# Altium PCB V5+_CORE_RC02.PcbDoc (part 3 of 3)
Units mm, origin at the board's own origin, x right, y up, seen from the top; angles counter-clockwise.
Board outline 33.75 x 33.75 mm, 6 copper layers (Top Layer, GND, S1, S2, POWER, Bottom Layer), stack 1.231 mm thick; 202 components, 273 nets, 965 pads, 543 vias.
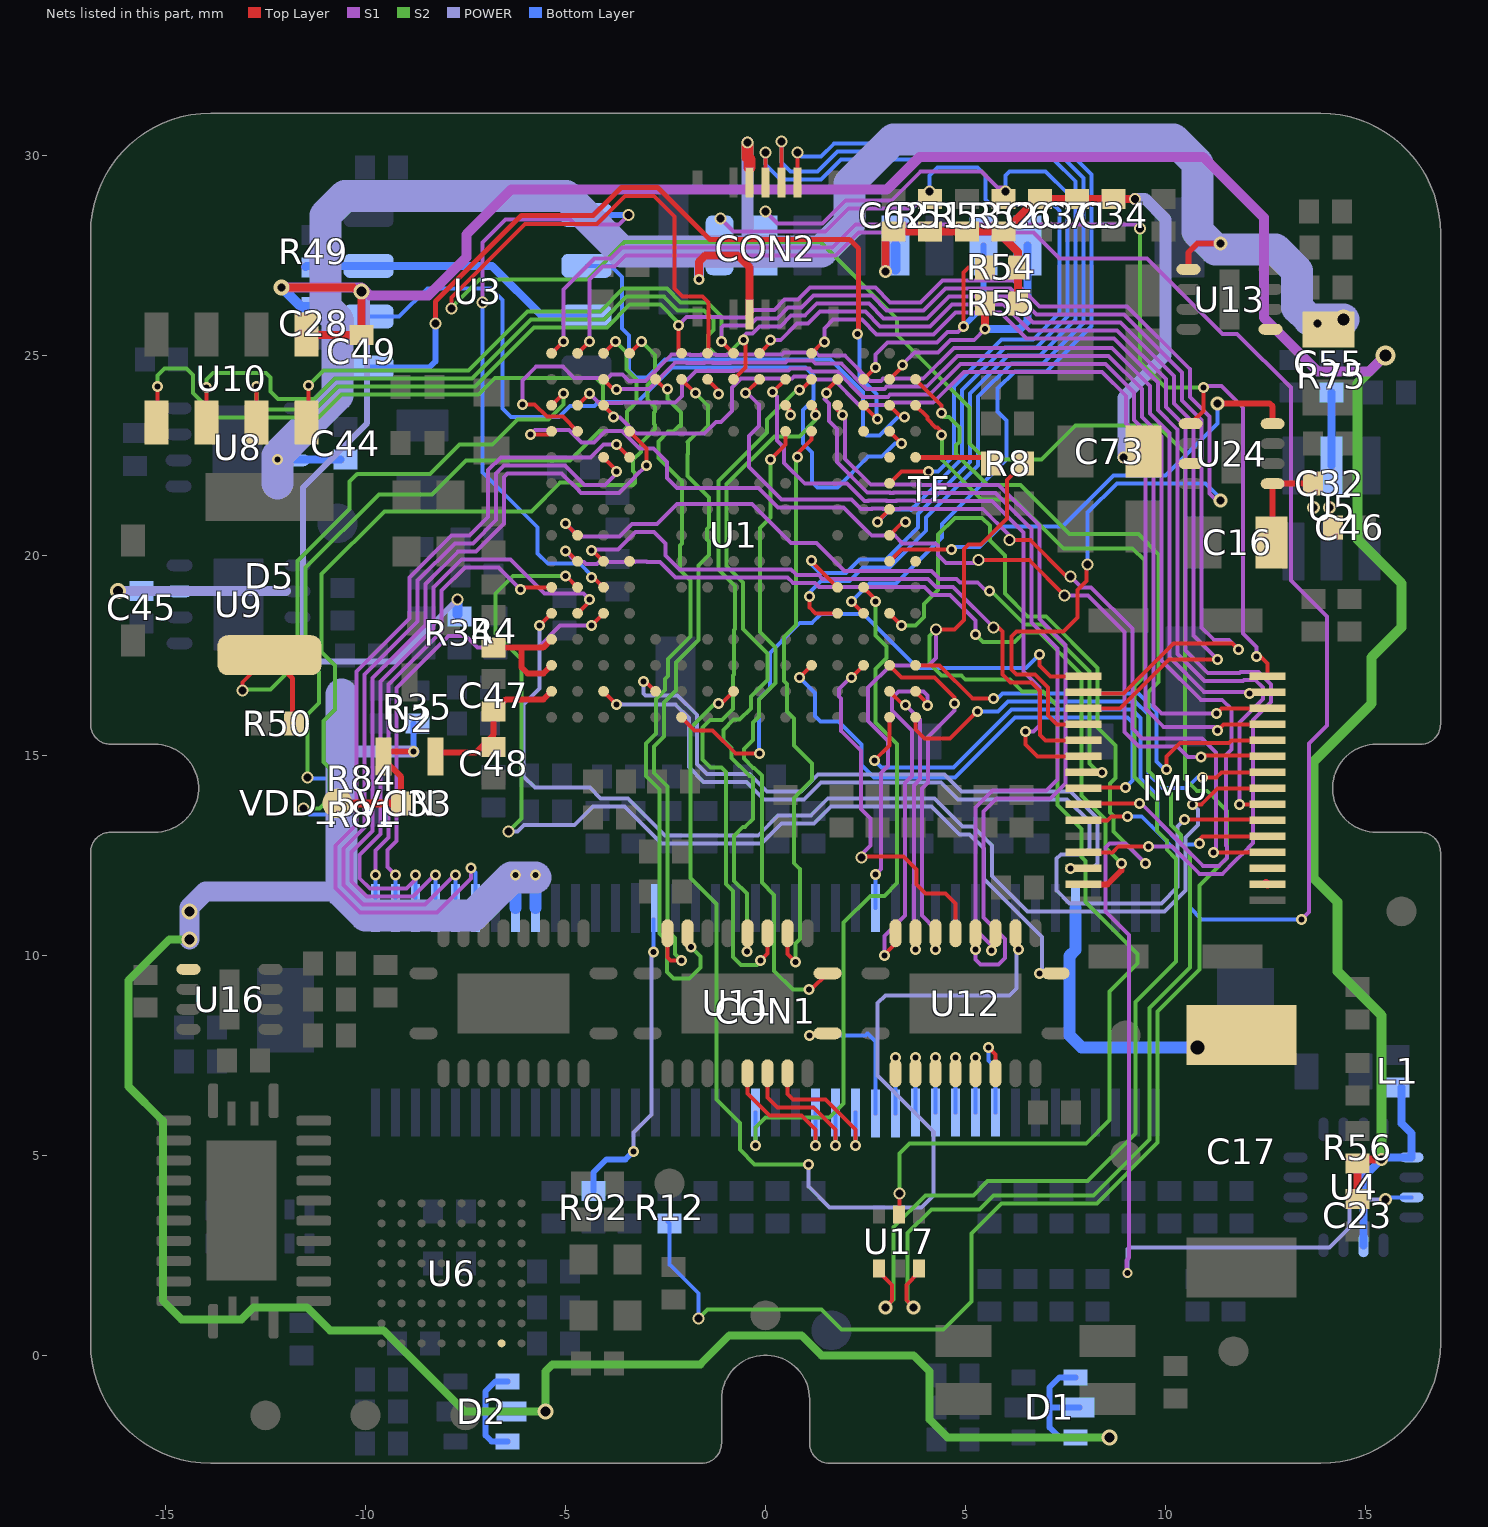
[diagram p7: the nets of this part, all layers, seen from the top]

## Via types
v1: diameter 0.275, hole 0.15, Top Layer to Bottom Layer, tented both sides, 374 vias
v2: diameter 0.3, hole 0.2, Top Layer to Bottom Layer, tented both sides, 85 vias
v3: diameter 0.25, hole 0.15, Top Layer to Bottom Layer, tented both sides, 26 vias
v4: diameter 0.325, hole 0.2, Top Layer to Bottom Layer, tented both sides, 15 vias
v5: diameter 0.35, hole 0.2, Top Layer to Bottom Layer, tented both sides, 15 vias
v6: diameter 0.4, hole 0.25, Top Layer to Bottom Layer, tented both sides, 14 vias
v7: diameter 0.4, hole 0.25, Top Layer to Bottom Layer, tented bottom, 7 vias
v8: diameter 0.4, hole 0.2, Top Layer to Bottom Layer, tented both sides, 2 vias
v9: diameter 0.5, hole 0.3, Top Layer to Bottom Layer, tented both sides, 2 vias
v10: diameter 0.6, hole 0.6, Top Layer to Bottom Layer, tented both sides, 2 vias
v11: diameter 0.55, hole 0.35, Top Layer to Bottom Layer, tented both sides, 1 vias

## Nets (pads, with @x,y where several pads share a name; then routed paths per layer and width w, separated by ;. In a path a pad name is that pad's centre, name@x,y a point inside that pad or via, vN(x,y) a via of type N, cw(c..) or ccw(c..) an arc to the next point about the centre after c; other vN are vias at no path point) (continued)
SDMMC1_D0: R52.2 TF.7 U1.G14 | length 20.3
  Top Layer w0.1: v1@2.8,20.85 U1.G14@3.1,21.15
  S1 w0.1: v2(0,28.6) 0.3,28.3 1.42,28.3 1.995,28.875 3.155,28.875 3.88,29.6 5.4,29.6 5.799,29.2 v2@6,29.2
  Bottom Layer w0.1: v1(2.8,20.826) 3.112,21.138 3.629,21.138 3.634,21.134 4.915,22.415 4.915,24.132 5.983,25.2 6.775,25.2 7.55,25.975 7.55,29.05 7,29.6 6.1,29.6 6,29.5 v2@6,29.2
  other v2: 6,29.1
SDMMC1_D1: R51.2 TF.8 U1.F14 | length 19.9
  Top Layer w0.1: U1.F14@3.1,21.8 3.4,22.1 v1(4.075,22.1)
  S1 w0.1: v2(-1.125,28.425) -0.8,28.1 1.503,28.1 2.078,28.675 3.675,28.675 v2(4.1,29.1)
  Bottom Layer w0.1: v1(4.075,22.1) 4.317,22.1 4.715,22.498 4.715,24.215 5.9,25.4 6.692,25.4 7.35,26.057 7.35,28.617 7.191,28.775 5.625,28.775 5.5,28.9 5.5,29.5 5.3,29.7 4.3,29.7 4.1,29.5 v2(4.1,29.1)
SDMMC1_D2: R55.2 TF.1 U1.B14 | length 6.6
  Top Layer w0.1: U1.B14@3.1,24.4 3.425,24.725 v1(3.425,24.751)
  Top Layer w0.2: v1(5.49,25.66) R55.2@5.49,26.3
  S1 w0.1: v1(3.425,24.751) 3.425,24.776 3.724,25.075 4.315,25.075 4.628,25.387 5.217,25.387 v1(5.49,25.66)
  Bottom Layer w0.2: v1(5.49,25.66) 6.36,25.66 6.55,25.85 TF.1@6.55,27.75
SDMMC1_D3: R54.2 TF.2 U1.B13 | length 7.4
  Top Layer w0.1: U1.B13@2.45,24.4 v1(2.75,24.7) ; v1(4.95,25.725) 4.95,27.075 5.075,27.2 R54.2@5.49,27.2
  S1 w0.1: v1(2.75,24.7) 2.75,25.025 3.05,25.325 4.282,25.325 4.545,25.587 4.812,25.587 v1(4.95,25.725)
  Bottom Layer w0.15: v1(4.95,25.725) 5.45,26.225 TF.2@5.45,27.75
SENSE_RESET: R75.1 U5.5 | length 1.8
  Bottom Layer w0.2: U5.5@14.15,22.25 R75.1@14.15,24.065
SENSOR_3V3: C23.2 C28.2 C49.2 L1.1 R34.2 R56.1 U4.2 U4.13 U10.1 | length 82.4
  Top Layer w0.2: v8(-12.1,26.7) -10.3,26.7 -10.2,26.6 v6(-10.1,26.6) C49.2@-10.1,25.51 ; U10.1@-11.461,25.51 C49.2@-10.1,25.51 ; C23.2@14.8,3.91 R56.1@14.8,4.79 14.91,4.9 v4(15.4,4.9)
  S1 w0.25: v8(-12.1,26.7) -10.1,26.7 -9.9,26.5 -8.425,26.5 -7.475,27.45 -7.475,28.025 -6.35,29.15 3.041,29.15 3.853,29.962 10.937,29.962 12.456,28.443 12.456,25.944 13.8,24.6 15.1,24.6 v9(15.5,25)
  S2 w0.25: v4(15.4,4.9) 15.4,8.5 14.3,9.6 14.3,11.33 13.7,11.93 13.7,14.839 15.15,16.289 15.15,17.45 15.9,18.2 15.9,19.3 14.8,20.4 14.8,24.3 v9(15.5,25)
  POWER w0.15: v6@-10.125,26.6 -9.959,26.434 -9.959,23.303 -11.562,21.7 -11.562,17.657 -11.254,17.35 -9.25,17.35 v2(-7.7,18.9)
  Bottom Layer w0.2: U4.2@14.95,2.75 14.95,4.45 15.45,4.95 U4.13@16.15,4.95 16.15,5.55 15.9,5.8 L1.1@15.9,6.69
  Bottom Layer w0.25: v8(-12.1,26.7) -11.61,26.21 C28.2@-11.3,26.21 ; R34.2@-7.7,18.518 v2(-7.7,18.9)
SPI1_CS1_ICM20689: IMU.22 U1.H2 | length 18.9
  Top Layer w0.1: v1(-5,20.8) U1.H2@-4.7,20.5 ; IMU.22@7.95,14.575 v1(8.413,14.575)
  S1 w0.1: v1(-5,20.8) -4.675,20.475 -3.648,20.475 -3.336,20.787 -2.711,20.787 -2.211,21.287 -0.338,21.287 0.637,20.312 1.277,20.312 1.977,19.612 4.144,19.612 4.344,19.412 4.771,19.412 4.859,19.325 5.305,19.325 5.529,19.101 v1(5.6,19.101)
  S2 w0.1: v1(5.6,19.101) v1@5.645,19.101 ; v1@5.644,19.102 v1@5.645,19.101 ; v1(8.413,14.575) 8.325,14.575 8.1,14.8 8.1,17.1 6.924,18.276 6.47,18.276 v1@5.645,19.101
SPI1_CS2_ICM20602: IMU.29 U1.J2 | length 21.4
  Top Layer w0.1: v1(-5.001,20.101) -4.951,20.101 U1.J2@-4.7,19.85
  Top Layer w0.15: IMU.29@7.95,11.775 8.55,11.775 8.9,12.125 v1(8.9,12.3)
  S1 w0.1: v1(-5.001,20.101) -4.737,19.837 -4.54,19.837 -4.49,19.787 -4.211,19.787 -4.161,19.837 -3.265,19.837 -3.253,19.85 -2.973,19.85 -2.961,19.837 -2.638,19.837 -2.25,19.45 0.55,19.45 0.686,19.313 1.239,19.313 1.34,19.212 3.978,19.212 4.178,19.012 4.605,19.012 5.25,18.368 v1(5.25,18.025)
  S2 w0.1: v1(5.25,18.025) 5.437,17.837 6.229,17.837 6.468,18.076 6.842,18.076 7.9,17.017 7.9,14 8.5,13.4 8.5,12.7 v1(8.9,12.3)
SPI1_CS3_BMI055_GYRO: IMU.20 U1.J3 | length 16.5
  Top Layer w0.1: v1@-4.35,20.15 U1.J3@-4.05,19.85 ; v2(5.7,18.201) 5.824,18.201 5.925,18.1 5.925,17.025 6.125,16.825 6.65,16.825 6.862,16.612 6.862,15.512 7,15.375 IMU.20@7.95,15.375
  S1 w0.1: v1@-4.35,20.15 -3.69,20.15 -3.253,20.587 -2.788,20.587 -2.5,20.3 -2.5,20 -2.15,19.65 0.632,19.65 0.769,19.513 1.322,19.513 1.423,19.412 4.061,19.412 4.261,19.212 4.688,19.212 4.776,19.125 v2(5.7,18.201)
  other v1: -4.35,20.125
SPI1_CS4_BMI055_ACC: IMU.21 U1.B10 | length 16.4
  Top Layer w0.1: v1(0.175,24.076) U1.B10@0.5,24.4 ; v1(6.5,15.6) 6.5,15.275 6.8,14.975 IMU.21@7.95,14.975
  S1 w0.1: v1(0.175,24.076) 0.287,23.963 0.287,22.872 0.462,22.697 0.462,22.311 0.985,21.788 1.615,21.788 1.626,21.8 2.032,21.8 2.47,21.362 2.576,21.362 2.577,21.363 3.022,21.363 3.023,21.362 3.276,21.362 3.277,21.363 3.722,21.363 3.723,21.362 5.662,21.362 6.45,20.574 6.45,17.1 6.85,16.7 6.85,15.75 6.7,15.6 v1(6.5,15.6)
SPI1_DRDY1_ICM20689: IMU.27 U1.A9 | length 30.4
  Top Layer w0.1: U1.A9@-0.15,25.05 0.176,25.376 v1(0.125,25.376) ; IMU.27@7.95,12.575 8.675,12.575 8.825,12.725 v1(9.575,12.725)
  S1 w0.1: v1(0.125,25.376) 0.376,25.376 0.788,25.788 1.063,25.788 1.363,26.088 2.497,26.088 2.861,25.725 4.117,25.725 4.667,26.275 5.954,26.275 6.604,25.625 8.79,25.625 10.012,24.402 10.012,23.709 10.5,23.221 10.5,17.617 11.055,17.062 11.852,17.062 11.878,17.088 12.323,17.088 12.638,16.773 12.638,16.328 12.188,15.878 12.188,12.803 11.918,12.533 11.738,12.353 11.423,12.038 10.851,12.038 10.164,12.725 v1(9.575,12.725)
SPI1_DRDY2_BMI055_GYRO: IMU.5 U1.R14 | length 14.5
  Top Layer w0.1: v1(2.725,14.875) 3.1,15.25 U1.R14@3.1,15.95 ; v1(10.85,12.8) 10.85,12.899 10.926,12.975 IMU.5@12.55,12.975
  Bottom Layer w0.1: v1(2.725,14.875) 2.9,14.7 4.699,14.7 6.149,16.15 9.159,16.15 9.375,15.934 9.375,14.425 9.8,14 9.8,13.357 9.869,13.288 10.392,12.766 v1@10.816,12.766 ; v1@10.816,12.8 v1(10.85,12.8)
SPI1_DRDY3_BMI055_ACC: IMU.9 U1.R15 | length 11.5
  Top Layer w0.1: U1.R15@3.75,15.95 3.75,15.65 3.975,15.425 4.617,15.425 5.292,16.1 v1(5.3,16.1) ; v1(10.925,14.45) 11.276,14.45 11.4,14.575 IMU.9@12.55,14.575
  Bottom Layer w0.1: v1(5.3,16.1) 5.816,16.1 6.066,16.35 9.242,16.35 9.575,16.017 9.575,14.534 9.921,14.188 10.538,14.188 10.8,14.45 v1(10.925,14.45)
SPI1_DRDY4_ICM20602: IMU.28 U1.P5 | length 16.3
  Top Layer w0.1: v1@-3.05,16.9 U1.P5@-2.75,16.6
  POWER w0.1: v1(-3.05,16.85) -3.05,16.551 -3,16.5 -2.2,16.5 -1.713,16.013 -1.713,14.787 -1.463,14.537 -0.398,14.537 0.04,14.1 0.882,14.1 1.307,14.525 4.475,14.525 4.9,14.1 7.625,14.1 8.3,13.425 8.3,12.3 8.175,12.175 v1(7.625,12.175)
SPI1_DRDY5_BMI055_GYRO: IMU.10 U1.D1 | length 24.7
  Top Layer w0.1: v1(-5.875,23.025) -5.425,23.025 U1.D1@-5.35,23.1 ; v2(5.325,19.876) 6.599,19.876 v2(7.475,19) ; v1(10.892,14.962) 10.862,14.962 10.824,15 12.525,15 IMU.10@12.55,14.975
  S1 w0.1: v1(-5.875,23.025) -5.763,23.137 -4.911,23.137 -4.598,22.825 -4.283,22.825 -3.996,23.112 -3.586,23.112 -3.148,22.675 -2.8,22.675 -2.463,22.337 -2.463,21.937 -2.213,21.687 -0.172,21.687 0.316,21.2 1.95,21.2 2.462,20.687 ; 2.462,20.686 2.66,20.488 3.234,20.488 3.422,20.3 4.251,20.3 4.312,20.238 4.312,20.01 4.51,19.812 5.261,19.812 v2(5.325,19.876) ; v2(7.475,19) 8.057,19 8.975,18.082 8.975,15.584 9.334,15.225 10.301,15.225 10.563,14.962 v1(10.892,14.962)
SPI1_DRDY6_BMI055_ACC: IMU.11 U1.N15 | length 11.2
  Top Layer w0.1: U1.N15@3.75,17.25 4.35,17.25 5.174,16.425 v1(5.7,16.425) ; v1(10.025,14.65) 10.025,14.975 10.362,15.312 11.587,15.312 11.65,15.375 IMU.11@12.55,15.375
  Bottom Layer w0.1: v1@5.75,16.375 5.925,16.55 9.325,16.55 9.775,16.1 9.775,14.85 10.025,14.6 v1(10.025,14.65)
SPI1_MISO_SENSOR1: IMU.6 U1.P3 | length 24.1
  Top Layer w0.1: U1.P3@-4.05,16.6 v1@-3.75,16.3 ; v1(10.475,13.4) IMU.6@12.425,13.4
  S1 w0.1: v1@-3.75,16.3 v1@-3.625,16.3
  POWER w0.1: v1(-3.725,16.275) -2.257,16.275 -1.913,15.93 -1.913,14.704 -1.546,14.337 -0.481,14.337 -0.043,13.9 0.964,13.9 1.389,14.325 4.392,14.325 4.817,13.9 7.542,13.9 8.1,13.342 8.1,12.675 7.95,12.525 7.384,12.525 7.275,12.416 7.275,11.625 7.6,11.3 9.893,11.3 10.3,11.707 10.3,13.225 v1(10.475,13.4)
SPI1_MOSI_SENSOR1: IMU.7 U1.A11 | length 23.7
  Top Layer w0.1: U1.A11@1.15,25.05 1.426,25.326 v1(1.475,25.326) ; v1(11.85,13.775) IMU.7@12.55,13.775
  S1 w0.1: v1(1.475,25.326) 1.475,25.675 1.689,25.888 2.415,25.888 2.778,25.525 4.199,25.525 4.749,26.075 5.871,26.075 6.521,25.425 8.707,25.425 9.812,24.319 9.812,23.626 10.3,23.138 10.3,17.534 10.972,16.862 11.935,16.862 11.96,16.888 12.24,16.888 12.438,16.69 12.438,16.411 11.85,15.823 v1(11.85,13.775)
SPI1_SCK_SENSOR1: IMU.4 U1.B9 | length 22.5
  Top Layer w0.1: v1@-0.499,24.051 U1.B9@-0.15,24.4 ; v2(6.1,20.376) 6.624,20.376 7.525,19.475 v2(7.625,19.475) ; v1(11.2,12.575) IMU.4@12.4,12.575
  S1 w0.1: v1(-0.5,24.051) -0.45,24.051 -0.163,23.763 -0.163,23.236 -0.413,22.986 -0.413,22.211 0.398,21.4 2.15,21.4 2.387,21.162 2.659,21.162 2.66,21.163 2.94,21.163 2.941,21.162 3.359,21.162 3.36,21.163 3.64,21.163 3.641,21.162 5.43,21.162 6.1,20.492 v2(6.1,20.376) ; v2(7.625,19.475) 7.9,19.2 8.14,19.2 9.175,18.165 9.175,15.667 9.417,15.425 10.907,15.425 11.263,15.069 11.263,12.638 v1(11.2,12.575)
SPI2_CS_FRAM: U1.K3 U3.1 | length 15.4
  Top Layer w0.1: v1@-4.35,19.5 U1.K3@-4.05,19.2
  S1 w0.1: v2(-7.075,26.325) -7.075,27.825 -6.5,28.4 -4.873,28.4 -4.748,28.275 -3.66,28.275 v2(-3.43,28.505)
  Bottom Layer w0.1: v2(-7.075,26.325) -7.075,22.075 -5.7,20.7 -5.7,20.05 -5.439,19.788 -4.639,19.788 v1@-4.35,19.5
  Bottom Layer w0.15: U3.1@-4.475,28.505 v2(-3.43,28.505)
  other v1: -4.35,19.45
SPI2_MISO_FRAM: U1.C14 U3.2 | length 12.6
  Top Layer w0.1: U1.C14@3.1,23.75 3.387,23.462 v1(3.475,23.462)
  Bottom Layer w0.1: U3.2@-4.475,27.235 -3.86,27.235 -3.588,26.962 -3.588,25.671 -3.413,25.496 -3.413,24.621 -3.23,24.438 -2.971,24.438 -2.509,24.9 1.624,24.9 2.437,24.087 2.437,23.087 2.525,23 2.845,23 3.307,23.462 v1(3.475,23.462)
SPI2_MOSI_FRAM: U1.C13 U3.5 | length 20.6
  Top Layer w0.1: U1.C13@2.45,23.75 2.775,23.425 v1@2.775,23.401
  Top Layer w0.125: v2(-8.25,25.8) -8.25,26.35 -6.1,28.5 -4.3,28.5 -3.6,29.2 -2.7,29.2 -1.4,27.9 2.1,27.9 2.326,27.673 2.326,25.551 v1(2.3,25.526)
  Bottom Layer w0.1: v1(2.3,25.526) 2.35,25.476 2.35,24.457 2.775,24.032 v1@2.775,23.401
  Bottom Layer w0.15: U3.5@-9.925,24.695 -8.405,24.695 -8.25,24.85 v2(-8.25,25.8)
  other v1: 2.8,23.401
SPI2_SCK_FRAM: U1.D14 U3.6 | length 21
  Top Layer w0.1: U1.D14@3.1,23.1 v1(3.4,22.8)
  Bottom Layer w0.1: U3.6@-9.925,25.965 -9.16,25.965 -8.45,26.675 -6.866,26.675 -6.575,26.384 -6.575,23.675 -6.363,23.462 -5.163,23.462 -4.888,23.737 -4.271,23.737 -4.171,23.837 -3.206,23.837 -2.343,24.7 1,24.7 1.2,24.5 1.2,23.9 0.937,23.637 0.937,22.796 1.162,22.571 1.162,21.838 1.3,21.7 1.8,21.7 2.563,22.463 2.896,22.463 3.232,22.8 v1(3.4,22.8)
SPI4_CS1_MS5611: IMU.8 U1.L1 | length 28.1
  Top Layer w0.1: v1(-5.65,18.25) U1.L1@-5.35,18.55 ; v1(10.675,13.775) 10.9,13.775 11.3,14.175 IMU.8@12.55,14.175
  POWER w0.1: v1(-5.65,18.25) -5.65,16.675 -6.05,16.275 -6.05,14.475 -5.768,14.192 -4.392,14.192 -4.125,13.925 -3.442,13.925 -2.517,13 -0.183,13 0.317,13.5 1.13,13.5 1.555,13.925 4.226,13.925 4.926,13.225 5.185,13.225 5.662,12.748 5.662,11.987 6.549,11.1 9.976,11.1 10.5,11.624 10.5,12.948 10.812,13.26 10.812,13.638 v1(10.675,13.775)
SPI4_CS2: IMU.16 U1.R6 | length 14.3
  Top Layer w0.1: U1.R6@-2.1,15.95 -1.775,15.625 -1.329,15.625 -0.755,15.05 v1@-0.151,15.05 ; v1(6.85,17.525) 6.85,17.25 7.125,16.975 IMU.16@7.95,16.975
  Bottom Layer w0.1: v1(-0.15,15.05) -0.163,15.062 -0.163,15.713 -0.163,16.404 0.112,16.679 0.112,17.562 0.863,18.313 1.162,18.313 1.386,18.537 2.449,18.537 3.799,17.187 6.512,17.187 v1(6.85,17.525)
SPI4_MISO_SENSOR2: IMU.23 U1.N11 | length 13.9
  Top Layer w0.1: v1(0.85,16.95) U1.N11@1.15,17.25 ; IMU.23@7.95,14.175 7.975,14.2 v1(9,14.2)
  Bottom Layer w0.1: v1(0.85,16.95) 1.237,16.562 1.237,15.987 1.375,15.85 1.825,15.85 2.4,15.275 2.4,14.758 2.708,14.45 4.732,14.45 6.232,15.95 9.05,15.95 9.175,15.825 9.175,14.375 v1(9,14.2)
SPI4_MOSI_SENSOR2: IMU.24 U1.B3 | length 32.2
  Top Layer w0.1: U1.B3@-4.05,24.4 -3.8,24.15 v1(-3.725,24.15) ; IMU.24@7.95,13.775 7.975,13.8 v1(9.35,13.8)
  S1 w0.1: v1@-3.725,24.151 -3.737,24.162 -2.916,24.162 -2.265,24.813 -1.974,24.813 -1.973,24.812 -1.528,24.812 -1.527,24.813 -1.324,24.813 -1.323,24.812 -0.878,24.812 -0.877,24.813 0.494,24.813 0.544,24.863 1.176,24.863 1.251,24.788 1.901,24.788 2.527,24.162 2.972,24.162 3.023,24.213 3.094,24.213 4.019,24.213 4.793,24.987 8.579,24.987 9.412,24.154 9.412,23.46 9.9,22.973 9.9,17.369 10.881,16.388 11.415,16.388 11.65,16.153 11.65,15.15 11.513,15.013 11.513,12.74 11.538,12.715 11.538,12.435 11.34,12.238 10.934,12.238 10.387,12.785 10.387,12.795 9.382,13.8 v1(9.35,13.8)
SPI4_SCK_SENSOR2: IMU.25 U1.A2 | length 42.7
  Top Layer w0.1: U1.A2@-4.7,25.05 v1(-4.4,25.35) ; IMU.25@7.95,13.375 8.55,13.375 8.65,13.475 v1(9.05,13.475)
  S1 w0.1: v1(-4.4,25.35) -4.4,26.9 -4.075,27.225 -3.775,27.225 -3.5,27.5 1.751,27.5 2.326,28.075 6.7,28.075 7.35,27.425 9.535,27.425 11.423,25.537 11.79,25.537 13.137,24.19 13.137,19.364 14.038,18.464 14.038,15.748 13.588,15.298 13.588,11.088 v1(13.4,10.9)
  Bottom Layer w0.1: v1(9.05,13.475) 9.399,13.475 9.649,13.226 10.612,12.263 10.612,11.188 10.9,10.9 v1(13.4,10.9)
SPI5_CS1_EX1: CON1.37 U1.D4 | length 20.3
  Top Layer w0.1: U1.D4@-3.4,23.1 -2.975,22.675 v1(-2.975,22.25)
  S1 w0.1: v1(-8.254,12.007) -8.277,12.007 -8.814,11.469 -9.977,11.469 -10.35,11.843 -10.35,12.584 -9.825,13.109 -9.825,16.932 -8.5,18.257 -8.5,19.283 -7.683,20.1 -7.234,20.1 -6.538,20.796 -6.538,21.962 -6.45,22.05 -5.097,22.05 -4.663,21.615 -4.663,21.612 -4.613,21.562 -3.663,21.562 -3.263,21.962 -3.263,21.964 -2.978,22.25 v1(-2.975,22.25)
  Bottom Layer w0.1: CON1.37@-8.254,11.186 v1@-8.254,11.907
SPI5_CS2_EX1: CON1.36 U1.E3 | length 20.1
  Top Layer w0.1: U1.E3@-4.05,22.45 v1@-3.75,22.15
  S1 w0.1: v1(-7.754,12.007) -7.777,12.007 -8.514,11.269 -10.059,11.269 -10.55,11.76 -10.55,12.667 -10.025,13.192 -10.025,17.014 -8.7,18.34 -8.7,19.366 -7.766,20.3 -7.317,20.3 -6.738,20.879 -6.738,22.045 -6.533,22.25 -5.014,22.25 -4.527,21.762 -4.013,21.762 -3.75,22.025 v1@-3.75,22.15
  Bottom Layer w0.1: CON1.36@-7.754,11.186 v1@-7.754,11.907
  other v1: -3.725,22.1
SPI5_CS3_EX1: CON1.35 U1.E4 | length 21.5
  Top Layer w0.1: v1(-3.725,22.775) U1.E4@-3.4,22.45
  S1 w0.1: v1(-7.363,12.181) -7.363,11.921 -8.214,11.069 -10.142,11.069 -10.75,11.677 -10.75,12.75 -10.225,13.275 -10.225,17.097 -8.9,18.423 -8.9,19.449 -7.849,20.5 -7.4,20.5 -6.938,20.962 -6.938,22.128 -6.616,22.45 -4.375,22.45 -4.05,22.775 v1(-3.725,22.775)
  Bottom Layer w0.1: v1(-7.363,12.181) -7.254,12.072 CON1.35@-7.254,11.186
SPI5_DRDY7_EXTERNAL1: U1.L14 U4.15 | length 36.1
  Top Layer w0.1: U1.L14@3.1,18.55 v1(3.4,18.25)
  S1 w0.1: v3@9,2 v3(9.052,2.052) 9.025,2.08 9.025,2.37 9.075,2.42 9.075,2.435 9.088,2.447 9.088,10.512 8.5,11.1 8.5,12.7 8.6,12.8 9,12.8 v1(9.5,12.3)
  S2 w0.1: v1(3.4,18.25) 3.75,18.25 3.962,18.462 3.962,18.777 4.312,19.127 4.312,20.514 4.735,20.937 5.414,20.937 5.612,20.739 5.612,20.368 5.981,20 5.981,19.048 6.553,18.476 7.007,18.476 8.3,17.183 8.3,16.729 8.3,15.7 8.75,15.25 8.75,14.435 8.615,14.3 8.615,13.568 8.7,13.483 8.7,13.1 v1(9.5,12.3)
  POWER w0.1: v3(9.052,2.052) 9.052,2.652 9.1,2.7 14.1,2.7 14.6,3.2 14.6,3.7 14.8,3.9 v4(15.5,3.9)
  Bottom Layer w0.1: v4@15.5,3.8 15.65,3.95 U4.15@16.15,3.95
SPI5_MISO_EXTERNAL1: CON1.39 U1.L3 | length 11.8
  Top Layer w0.1: v1(-4.35,18.25) U1.L3@-4.05,18.55
  S1 w0.1: v1(-9.254,12.007) -9.45,12.203 -9.45,12.635 -9.225,12.86 -9.225,16.683 -7.921,17.988 -7.793,17.988 -7.513,17.988 -7.488,17.988 -7.2,17.7 -5.683,17.7 -5.133,18.25 v1(-4.35,18.25)
  Bottom Layer w0.1: CON1.39@-9.254,11.186 v1@-9.254,11.907
SPI5_MOSI_EXTERNAL1: CON1.38 U1.L2 | length 15.5
  Top Layer w0.1: U1.L2@-4.7,18.55 -4.401,18.849 v1(-4.401,18.901)
  S1 w0.1: v1(-8.754,12.007) -8.754,11.891 -8.975,11.669 -9.894,11.669 -10.15,11.926 -10.15,12.501 -9.625,13.026 -9.625,16.849 -8.3,18.174 -8.3,19.2 -7.6,19.9 -6.378,19.9 -5.528,19.05 -4.55,19.05 v1(-4.401,18.901)
  Bottom Layer w0.1: CON1.38@-8.754,11.186 v1@-8.754,11.907
SPI5_SCK_EXTERNAL1: CON1.40 U1.K1 | length 11.8
  Top Layer w0.1: v1(-6.125,19.15) -6.075,19.2 U1.K1@-5.35,19.2
  S1 w0.1: v1(-9.754,12.007) -9.754,12.615 -9.425,12.943 -9.425,16.766 -8.1,18.091 -8.1,19.117 -7.517,19.7 -6.676,19.7 v1(-6.125,19.15)
  Bottom Layer w0.1: CON1.40@-9.754,11.186 v1@-9.754,11.907
SPI5_SYNC_EXTERNAL1: U1.D13
SPI6_CS1_EXTERNAL2: IMU.12 U1.C3 U10.5 | length 41.1
  Top Layer w0.1: U10.5@-15.225,23.325 -15.2,23.35 v1(-15.2,24.225) ; U1.C3@-4.05,23.75 v1@-3.75,23.45 ; v1(11.3,15.625) 11.45,15.775 IMU.12@12.55,15.775
  S1 w0.1: v1@-3.75,23.45 -3.64,23.45 -3.229,23.038 -1.539,23.038 -1.24,23.337 -1.113,23.337 -0.838,23.612 -0.838,24.191 -0.615,24.413 0.66,24.413 0.71,24.463 1.01,24.463 1.085,24.388 1.715,24.388 2.341,23.762 3.138,23.762 3.189,23.813 4.185,23.813 4.959,24.587 8.413,24.587 9.012,23.988 9.012,23.295 9.5,22.807 9.5,16.166 9.954,15.713 11.211,15.713 v1(11.3,15.625)
  S2 w0.1: v1(-15.2,24.225) -15.2,24.5 -15.025,24.675 -14.475,24.675 -14.313,24.512 -14.313,24.06 -13.703,23.45 -11.175,23.45 -10.6,24.025 -7.177,24.025 -6.764,24.437 -4.238,24.437 -4.063,24.262 -4.063,23.762 v1@-3.75,23.45
  other v1: -3.801,23.451
SPI6_CS2_EXTERNAL2: IMU.13 U1.C2 | length 26.6
  Top Layer w0.1: U1.C2@-4.7,23.75 v1(-4.4,24.05) ; v1(11.275,16.05) 11.399,16.175 IMU.13@12.55,16.175
  S1 w0.1: v1(-4.4,24.05) -4.163,23.812 -3.586,23.812 -3.584,23.813 -2.262,23.813 -2.088,23.987 -2.088,24.262 -1.738,24.612 -1.445,24.612 -1.444,24.613 -1.407,24.613 -1.406,24.612 -0.795,24.612 -0.794,24.613 0.577,24.613 0.627,24.663 1.093,24.663 1.168,24.588 1.797,24.588 2.424,23.962 3.055,23.962 3.106,24.013 4.102,24.013 4.876,24.787 8.496,24.787 9.212,24.071 9.212,23.378 9.7,22.89 9.7,16.249 9.899,16.05 v1(11.275,16.05)
SPI6_CS3_EXTERNAL2: IMU.14 U1.D2 | length 29
  Top Layer w0.1: v1(-6.075,23.775) -5.778,23.775 -5.468,23.465 -5.065,23.465 U1.D2@-4.7,23.1 ; v1@12.049,16.55 v1(12.1,16.55)
  S1 w0.1: v1(-6.075,23.775) -6.075,24.375 -5.737,24.713 -5.064,24.713 -4.788,24.437 -3.938,24.437 -3.85,24.525 -3.575,24.525 -3.413,24.362 -2.999,24.362 -2.348,25.013 -1.891,25.013 -1.89,25.012 -1.611,25.012 -1.609,25.013 -1.241,25.013 -1.24,25.012 -0.961,25.012 -0.959,25.013 0.411,25.013 0.461,25.063 1.259,25.063 1.334,24.988 1.984,24.988 2.61,24.362 2.889,24.362 2.941,24.413 3.011,24.413 3.937,24.413 4.71,25.187 8.661,25.187 9.612,24.236 9.612,23.543 10.1,23.055 10.1,17.451 10.964,16.588 12.04,16.588 12.078,16.55 v1(12.1,16.55)
SPI6_MISO_EXTERNAL2: IMU.18 U1.B8 U10.6 | length 42.4
  Top Layer w0.1: U10.6@-13.975,23.325 v1(-13.975,24.2) ; U1.B8@-0.8,24.4 -0.5,24.7 -0.5,25.326 v1(-0.55,25.376) ; IMU.18@7.95,16.175 8.857,16.175 10.082,17.4 v1@11.313,17.4
  S1 w0.1: v1(-0.55,25.376) -0.55,25.475 -0.475,25.55 -0.324,25.55 -0.149,25.725 0.375,25.725 0.639,25.988 0.98,25.988 1.28,26.288 2.58,26.288 2.944,25.925 4.034,25.925 4.584,26.475 6.037,26.475 6.687,25.825 8.872,25.825 10.212,24.485 10.212,23.792 10.7,23.304 10.7,17.999 v1(11.3,17.4)
  S2 w0.1: v1(-13.975,24.2) -13.975,24.4 -13.813,24.563 -12.488,24.563 -12.375,24.45 -12.375,24.1 -12.188,23.912 -11.279,23.912 -10.766,24.425 -7.343,24.425 -5.868,25.9 -4.043,25.9 -3.479,26.463 -2.545,26.463 -2.206,26.125 -1.533,26.125 -1.3,25.892 -1.3,25.627 -1.438,25.489 -1.438,25.21 -1.24,25.012 -0.961,25.012 -0.597,25.376 v1(-0.55,25.376)
SPI6_MOSI_EXTERNAL2: IMU.19 U1.A6 U10.7 | length 44
  Top Layer w0.1: U10.7@-12.725,23.325 v1(-12.725,24.225) ; v1(-2.175,25.75) -2.175,25.125 U1.A6@-2.1,25.05 ; IMU.19@7.95,15.775 7.287,15.775 7.062,16 7.062,16.695 6.732,17.025 6.275,17.025 6.15,17.15 6.15,17.975 6.275,18.1 7.45,18.1 7.8,18.45 7.8,19.134 8.025,19.359 8.025,19.775 v2(8.05,19.775)